# Altium PCB AKK_V2.1.PcbDoc (continued)
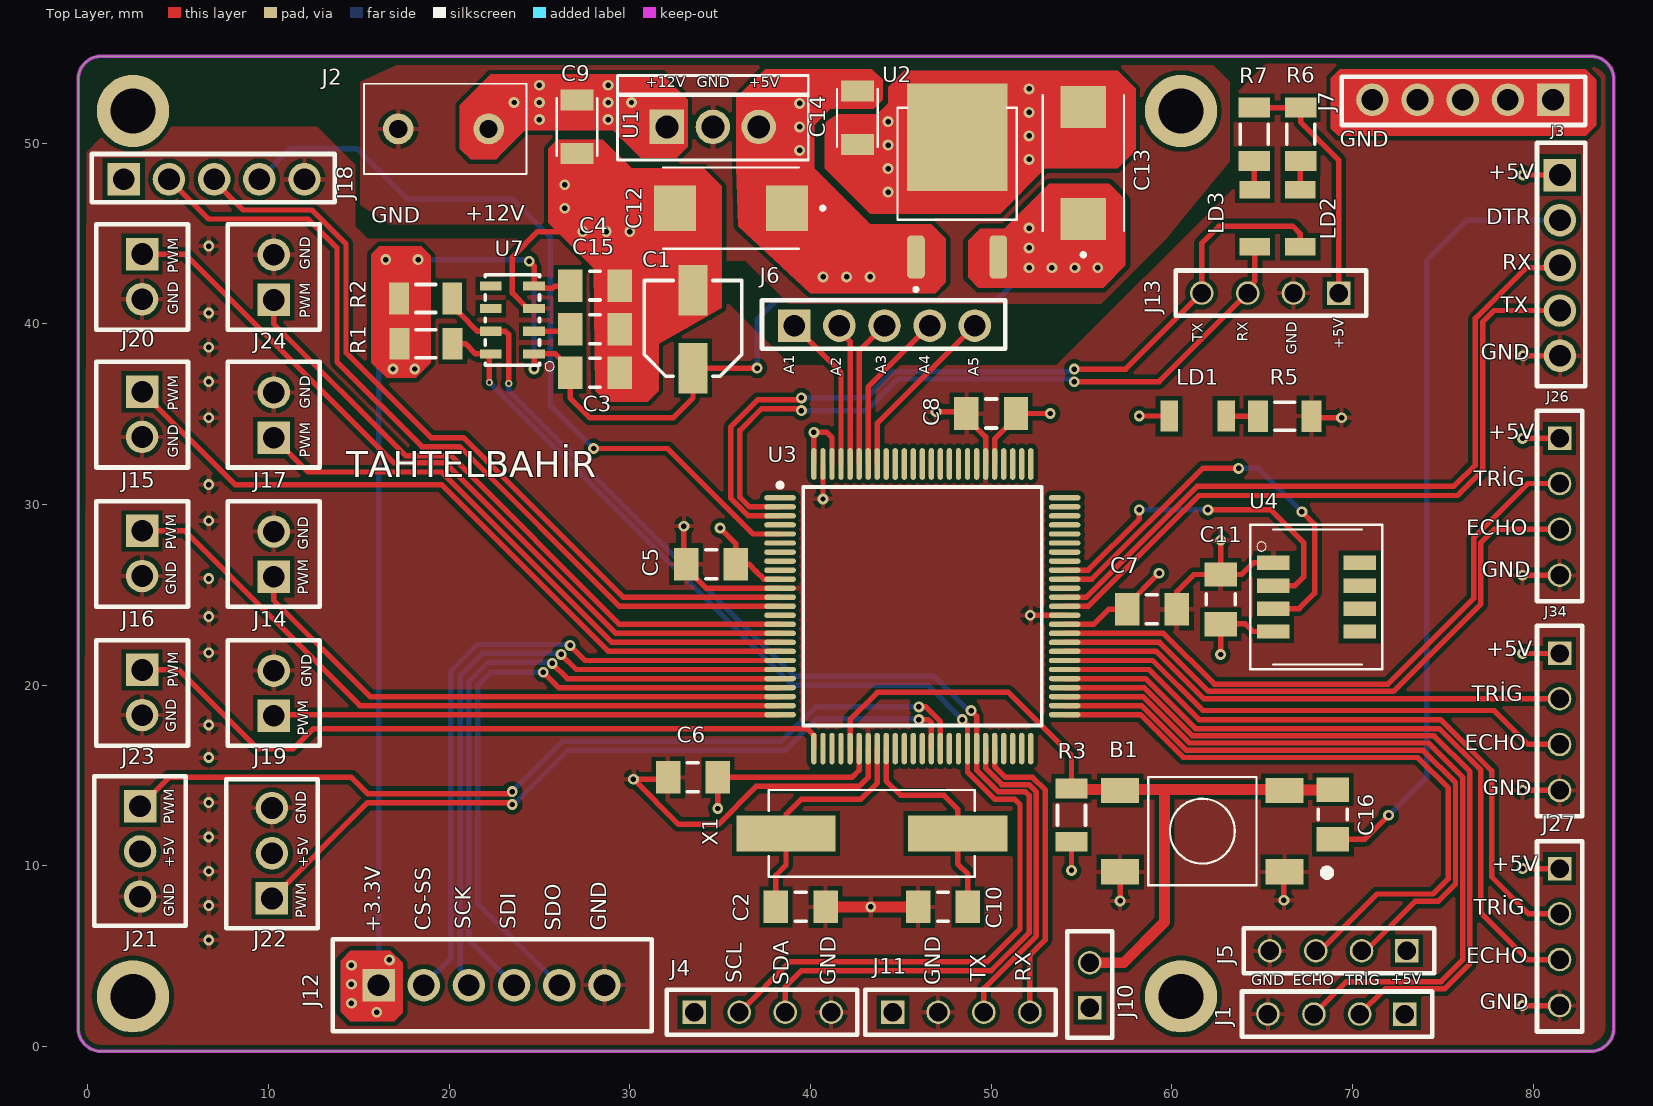
[diagram p0: Top Layer view]
## Part data (continued)
U3: library part ATMEGA2560-16AU, ComponentLink1Description=https://datasheet.ciiva.com/15122/getdatasheetpartid-134542-15122545.pdf?src-supplier=Verical, ComponentLink1URL=https://datasheet.ciiva.com/15122/getdatasheetpartid-134542-15122545.pdf?src-supplier=Verical, ComponentLink2Description=https://datasheet.ciiva.com/22651/1698622-22651116.pdf?src-supplier=Farnell, ComponentLink2URL=https://datasheet.ciiva.com/22651/1698622-22651116.pdf?src-supplier=Farnell, ComponentLink3URL=https://datasheet.ciiva.com/26815/atmega2560-16au-26815441.pdf?src-supplier=IIIC, ComponentLink4Description=https://datasheet.ciiva.com/29119/154804-da-01-en-atmega2560-16au-tqfp-100-29119580.pdf?src-supplier=Conrad, ComponentLink4URL=https://datasheet.ciiva.com/29119/154804-da-01-en-atmega2560-16au-tqfp-100-29119580.pdf?src-supplier=Conrad, ComponentLink5Description=https://datasheet.ciiva.com/1157/1817551-1157521.pdf?src-supplier=Element14, ComponentLink5URL=https://datasheet.ciiva.com/1157/1817551-1157521.pdf?src-supplier=Element14, ComponentLink6Description=https://datasheet.ciiva.com/6640/atmel-2549-8-bit-avr-microcontroller-atmega640-1280-1281-2560-2561-summary-6640293.pdf?src-supplier=Digi-Key, ComponentLink6URL=https://datasheet.ciiva.com/6640/atmel-2549-8-bit-avr-microcontroller-atmega640-1280-1281-2560-2561-summary-6640293.pdf?src-supplier=Digi-Key, ComponentLink7Description=https://datasheet.ciiva.com/1162/33246-1162139.pdf?src-supplier=Farnell, ComponentLink7URL=https://datasheet.ciiva.com/1162/33246-1162139.pdf?src-supplier=Farnell, ComponentLink8Description=https://datasheet.ciiva.com/16936/70123980-16936268.pdf?src-supplier=Allied+Electronics, ComponentLink8URL=https://datasheet.ciiva.com/16936/70123980-16936268.pdf?src-supplier=Allied+Electronics, Lead Free="Lead Free", Manufacturer Part Number=ATMEGA2560-16AU, Radiation Hardening=No, REACH SVHC="No SVHC"
U4: "SENSIRION - SHT15 - SENSOR, HUMIDITY & TEMP, 3.3V", Case/Package=LCC, Manufacturer=Sensirion, Max Operating Temperature=123.8°C, Max Supply Voltage=5.5V, Min Operating Temperature=-40°C, Min Supply Voltage=2.4V, Nominal Supply Current=28uA, Operating Supply Voltage=3.3V, Supplier Part Number 1=1649-1054-1-ND, Accuracy=2%, Category="Temperature and Humidity Sensors", ComponentLink1Description=https://datasheet.ciiva.com/16986/0900766b80d2f542-16986859.pdf?src-supplier=Allied+Electronics, ComponentLink1URL=https://datasheet.ciiva.com/16986/0900766b80d2f542-16986859.pdf?src-supplier=Allied+Electronics, ComponentLink2Description=https://datasheet.ciiva.com/1293/sensirion-humidity-sht1x-datasheet-v5-1293459.pdf?src-supplier=Farnell, ComponentLink2URL=https://datasheet.ciiva.com/1293/sensirion-humidity-sht1x-datasheet-v5-1293459.pdf?src-supplier=Farnell, ComponentLink3Description=https://datasheet.ciiva.com/1313/1563786-1313179.pdf?src-supplier=Element14, ComponentLink3URL=https://datasheet.ciiva.com/1313/1563786-1313179.pdf?src-supplier=Element14, ComponentLink4Description=https://datasheet.ciiva.com/28366/1563786-28366203.pdf?src-supplier=Element14, ComponentLink4URL=https://datasheet.ciiva.com/28366/1563786-28366203.pdf?src-supplier=Element14, Height=2.5mm, Lead Free="Lead Free", Lead Pitch=1.27mm, Length=7.42mm, Manufacturer Part Number=SHT15, Max Supply Voltage (DC)=5.5V, Min Supply Voltage (DC)=2.4V, Mount="Surface Mount", Number of Pins=8, Output Type=Digital, Packaging="Cut Tape", Pricing 1="1=27,30000, 10=16,63200 (USD)", REACH SVHC="No SVHC", Resolution=14b, Response Time=8s, RoHS=Yes, Sensing Method=Capacitive, Sensor Type=Temperature, Stock 1=24799, Supplier 1=Digi-Key, Width=4.88mm, Interface=Serial
X1: library part FC4SDCBMF25.0-T1, "Crystal 25MHz ±30ppm (Tol) ±50ppm (Stability) 20pF 2-Pin HC-49/SDLF SMD T/R", Manufacturer="Fox Electronics", Supplier Part Number 1=FC4SDCBMF25.0-T1-CUTT, ComponentLink1Description=http://www.foxonline.com/pdfs/C4SD.pdf?src-supplier=Digi-Key, ComponentLink1URL=http://www.foxonline.com/pdfs/C4SD.pdf?src-supplier=Digi-Key, Manufacturer Part Number=FC4SDCBMF25.0-T1, Pricing 1="1=0,28000, 50=0,21500, 100=0,20500, 250=0,19000, 500=0,18100 (USD)", RoHS=No, Stock 1=9000, Supplier 1="Future Electronics"

## Free pads (board coordinates)
  round 4 hole 2.5: 1(2.506,51.779) 2(60.506,51.779) 3(2.506,2.779) 4(60.506,2.779)

## Via types
v1: diameter 0.6, hole 0.3, Top Layer to Bottom Layer, tented both sides, 106 vias
v2: diameter 0.4, hole 0.2, Top Layer to Bottom Layer, tented both sides, 2 vias
v3: diameter 0.6, hole 0.3, Top Layer to Int2 (PWR), tented both sides, 2 vias
v4: diameter 0.6, hole 0.3, Int2 (PWR) to Bottom Layer, tented both sides, 2 vias

## Nets (pads, with @x,y where several pads share a name; then routed paths per layer and width w, separated by ;. In a path a pad name is that pad's centre, name@x,y a point inside that pad or via, vN(x,y) a via of type N, cw(c..) or ccw(c..) an arc to the next point about the centre after c; other vN are vias at no path point)
+3.3V: C1.1 C3.2 C4.2 C13.1 J12.1 R1.2 R2.2 U2.2 U7.1 U7.4 | length 92.8
  Top Layer w0.3: v1(24.437,43.463) 24.707,43.193 U7.4 24.807,41.988 25.352,41.988 25.372,41.968 25.706,41.968 25.826,42.088 26.674,42.088 C4.2 ; v1(24.707,37.507) U7.1 25.883,38.338 26.704,37.517 C3.2 26.704,35.896 27.8,34.8 32.4,34.8 33.5,35.9 C1.1 v1(37.05,37.55)
  Bottom Layer w0.3: J12.1 16.1,43.152 v1(16.5,43.552) ; v1(18.288,43.552) 24.348,43.552 v1(24.437,43.463) 24.703,43.197 24.703,37.511 v1(24.707,37.507) ; v1(37.05,37.55) 37.05,40.25 38.096,41.296 50.296,41.296 v1(52.1,43.1)
  other v1: 16,1.9 14.6,2.4 14.6,3.45 14.6,4.5 16.7,4.8 16.9,37.5 18.1,37.5 53.367,43.1 54.633,43.1 55.9,43.1 52.1,44.2 52.1,45.3
+5V: C5.2 C6.2 C7.2 C8.2 C11.1 C12.1 C14.1 J1.1 J3.1 J4.1 J5.1 J10.1 J11.1 J13.1 J18.1 J21.2 J22.2 J26.1 J27.1 J34.1 LD1.2 R3.1 R6.1 R7.1 U1.3 U2.1 U3.10 U3.31 U3.61 U3.80 U3.98 U3.100 U4.4 | length 73.5
  Top Layer w0.3: v1(34.875,13.175) C6.2 42.3,14.9 42.694,15.294 U3.31 ; v1(35,28.7) 35.875,27.825 C5.2 36.596,26.7 37,26.296 37,26.293 37.424,25.869 U3.10 ; U3.100 v1(40.194,33.994) 40.906,33.994 41.194,33.706 U3.98 ; U3.80 50.194,33.627 51.379,34.812 C8.2 v1(53.275,35.037) ; U3.61 55.669,23.369 56.5,24.2 C7.2 57.525,24.425 v1(59.3,26.2) ; v1(54.449,9.751) R3.1 ; v1(58.2,34.9) 59.847,34.9 LD1.2 ; v1(62.7,21.7) 62.7,23.396 64.078,23.396 64.501,22.972 U4.4 ; R7.1 R6.1 67.127,51.173 69.233,49.067 J13.1 ; v1(79.415,9.851) J27.1 ; v1(79.415,21.757) J34.1 ; v1(79.415,33.662) J26.1 ; v1(79.435,48.235) J3.1
  Top Layer w0.6: J18.1 J18.1@2.029,47.971 ; C12.1 38.7,49.34 U1.3 39.115,52.875 C14.1
  other v1: 40.7,42.6 42,42.6 43.3,42.6 39.4,49.6 39.4,50.9 39.4,52.2
+12V: C9.1 J2.1 U1.1
  other v1: 25,51.3 28.8,51.3 23.6,52.25 25,52.25 28.8,52.25 30.1,52.25 25,53.2 28.8,53.2
A0: U3.92
A1: U3.91
CS-SS: J12.2 U3.19 | length 37.2
  Top Layer w0.3: v1(26.7,22.2) 27.531,21.369 U3.19
  Bottom Layer w0.3: J12.2 20.1,4.9 20.1,20.8 21.555,22.255 26.645,22.255 v1(26.7,22.2)
DIGITAL_1: U3.77
DIGITAL_2: U3.78
DTR: C16.1 J3.2 | length 43.5
  Top Layer w0.3: C16.1 70.671,11.471 v1(72,12.8)
  Bottom Layer w0.3: v1(72,12.8) 74.1,14.9 74.1,43.5 76.335,45.735 J3.2
ECHO_1: J26.3 U3.59 | length 34.2
  Top Layer w0.3: U3.59 59.331,22.369 62.043,19.657 72.264,19.657 77.1,24.493 77.1,27.893 77.836,28.629 J26.3
ECHO_2: J34.3 U3.57 | length 29.3
  Top Layer w0.3: U3.57 58.945,21.369 61.714,18.6 77.839,18.6 79.715,16.724 J34.3
ECHO_3: J27.3 U3.55 | length 38.5
  Top Layer w0.3: U3.55 58.531,20.369 61.3,17.6 74.8,17.6 77.1,15.3 77.1,7.4 79.682,4.818 J27.3
ECHO_4: J1.3 U3.53 | length 43.5
  Top Layer w0.3: U3.53 58.4,19.369 60.969,16.8 74.214,16.8 76.1,14.914 76.1,4.8 74.9,3.6 69.667,3.6 J1.3
ECHO_5: J5.3 U3.51 | length 36.9
  Top Layer w0.3: U3.51 58.268,18.369 60.637,16 73.6,16 75.3,14.3 75.3,9.3 74.446,8.446 71.346,8.446 68.2,5.3 J5.3
GND: B1.1 B1.2 C1.2 C2.2 C3.1 C4.1 C5.1 C6.1 C7.1 C8.1 C9.2 C10.2 C11.2 C12.2 C13.2 C14.2 C15.2 J1.4 J2.2 J3.5 J4.4 J5.4 J7.1 J7.2 J7.3 J7.4 J7.5 J11.2 J12.6 J13.2 J14.2 J15.2 J16.2 J17.2 J18.5 J19.2 J20.2 J21.3 J22.3 J23.2 J24.2 J26.4 J27.4 J34.4 R5.1 U1.2 U2.3 U3.11 U3.32 U3.62 U3.81 U3.99 U4.1 U7.3 | length 70.8
  Top Layer w0.3: U7.3 24.357,40.838 23.5,41.695 23.5,43.7 24.9,45.1 v1(27.4,45.1) ; C6.1 32.025,14.8 v1(30.2,14.8) 32.7,12.3 34.9,12.3 37,14.4 42.7,14.4 43.194,14.894 U3.32 ; v1(33,28.8) 33,26.6 34.231,25.369 U3.11 ; v1(40.694,30.306) U3.99 ; v1(46.957,35.132) C8.1@48.534,35.132 ; C8.1 48.629,34.812 49.694,33.747 U3.81 ; v1(52.169,23.869) U3.62 ; v1(57.138,8.062) B1.2 ; C7.1 60.275,25.175 61.225,26.125 C11.2 ; v1(62.704,28.021) C11.2 ; U4.1 64.525,26.782 63.868,26.125 C11.2 ; v1(66.2,8.1) 66.2,9.187 66.462,9.449 B1.1 ; R5.1 67.823,34.8 v1(69.4,34.8) ; v1(79.415,2.271) J27.4 ; v1(79.415,14.177) J34.4 ; v1(79.415,26.082) J26.4 ; v1(79.435,38.235) J3.5
  Top Layer w0.6: C2.2 45.835,7.732 C10.2@45.962,7.859
  Bottom Layer w0.3: v1(57.138,8.062) v1@57.176,8.1
  other v1: 6.7,5.9 43.336,7.732 6.7,7.8 6.7,9.7 6.7,11.6 6.7,13.5 6.7,16 6.7,17.8 6.7,21.8 6.7,23.8 6.7,25.9 6.7,29.1 6.7,31.1 6.7,34.8 6.7,36.8 6.7,38.7 6.7,40.6 6.7,44.3 28.7,45.1 30,45.1 26.4,46.4 44.301,47.288 26.4,47.7 44.301,48.588 52.1,49.1 44.301,49.888 52.1,50.4 44.301,51.188 52.1,51.7 52.1,53
LSR_A1: J6.1 U3.97 | length 8.7
  Top Layer w0.3: J6.1 41.694,37.306 U3.97
LSR_A2: J6.2 U3.96 | length 7.9
  Top Layer w0.3: J6.2 41.6,39.603 42.194,39.009 U3.96
LSR_A3: J6.3 U3.95 | length 8.2
  Top Layer w0.3: U3.95 42.694,38.494 J6.3
LSR_A4: J6.4 U3.94 | length 9.1
  Top Layer w0.3: U3.94 43.194,36.494 J6.4
LSR_A5: J6.5 U3.93 | length 9.9
  Top Layer w0.3: U3.93 43.694,34.494 J6.5
NetC15_1: C15.1 U7.2 | length 2
  Top Layer w0.3: U7.2 26.587,39.588 C15.1
NetLD1_1: LD1.1 R5.2 | length 1.8
  Top Layer w0.3: LD1.1 R5.2
NetLD2_1: LD2.1 R6.2 | length 1.6
  Top Layer w0.3: LD2.1 67.103,48.988 R6.2
NetLD3_1: LD3.1 R7.2 | length 1.6
  Top Layer w0.3: R7.2 64.567,47.436 LD3.1
PWM_1: J14.1 U3.23 | length 31.5
  Top Layer w0.3: J14.1 10.3,24.7 15.631,19.369 U3.23
PWM_2: J16.1 U3.24 | length 39.3
  Top Layer w0.3: J16.1 5.389,28.54 15.06,18.869 U3.24
PWM_3: J19.1 U3.25 | length 28
  Top Layer w0.3: J19.1 10.363,18.369 U3.25
PWM_4: J23.1 U3.26 | length 40.3
  Top Layer w0.3: J23.1 5.054,20.846 9.406,16.494 11.394,16.494 12.5,17.6 39.813,17.6 40.194,17.219 U3.26
PWM_5: J24.1 U3.15 | length 36.2
  Top Layer w0.3: J24.1 10.3,40 17.6,32.7 20.107,32.7 29.438,23.369 U3.15
PWM_6: J20.1 U3.16 | length 44
  Top Layer w0.3: J20.1 5.389,43.861 16.95,32.3 19.8,32.3 29.231,22.869 U3.16
PWM_7: J17.1 U3.17 | length 32.7
  Top Layer w0.3: J17.1 12.2,31.8 19.593,31.8 29.024,22.369 U3.17
PWM_8: J15.1 U3.18 | length 41.3
  Top Layer w0.3: J15.1 8.154,31.1 19.586,31.1 28.817,21.869 U3.18
RASPİ_RX: J11.4 U3.46 | length 17
  Top Layer w0.3: U3.46 50.194,15.506 50.8,14.9 52.3,14.9 53,14.2 53,5.92 52.147,5.067 J11.4
RASPİ_TX: J11.3 U3.45 | length 17.8
  Top Layer w0.3: J11.3 49.6,3.227 52.5,6.127 52.5,14.1 52.1,14.5 50.6,14.5 49.694,15.406 U3.45
RESET: B1.3 B1.4 C16.2 J10.2 R3.2 U3.30 | length 44.7
  Top Layer w0.3: U3.30 42.194,18.094 43.7,19.6 50.963,19.6 54.449,16.114 R3.2
  Top Layer w0.6: R3.2 54.506,14.23 57.138,14.23 59.6,14.23 ; J10.2 57.344,4.644 59.6,6.9 59.6,14.23 ; C16.2 68.889,14.197 66.214,14.197 66.181,14.23 59.6,14.23
RS_CNTRL: J18.4 U3.5 | length 43.8
  Top Layer w0.3: v1(28,33.1) 32.1,33.1 36.831,28.369 U3.5
  Bottom Layer w0.3: J18.4 11.2,49.7 14.9,49.7 17.7,46.9 23.5,46.9 25.6,44.8 25.6,35.5 v1(28,33.1)
RS_RX: J18.3 U3.12 | length 44.5
  Top Layer w0.3: J18.3 7,47.9 8.6,46.3 12.407,46.3 14.3,44.407 14.3,38.4 19,33.7 20.8,33.7 29.631,24.869 U3.12
RS_TX: J18.2 U3.13 | length 47.3
  Top Layer w0.3: J18.2 6.7,45.8 12.2,45.8 13.8,44.2 13.8,37.9 18.5,33.2 20.593,33.2 29.424,24.369 U3.13
RX: J13.3 LD3.2 U3.2 | length 40.3
  Top Layer w0.3: U3.2 36.631,29.869 36.1,30.4 36.1,34.1 37.3,35.3 39.4,35.3 v4(39.5,35.2) ; v1(54.6,36.796) 59.296,36.796 J13.3 64.2,41.971 64.591,42.362 LD3.2
  Bottom Layer w0.3: v4(39.5,35.2) 43.107,35.2 44.854,36.946 54.45,36.946 v1(54.6,36.796)
  other v3: 39.5,35.2
SCK: J12.3 U3.20 | length 36.1
  Top Layer w0.3: v1(26.205,21.705) 27.041,20.869 U3.20
  Bottom Layer w0.3: J12.3 20.61,3.89 20.813,4.093 20.61,4.296 20.61,20.51 21.86,21.76 26.15,21.76 v1(26.205,21.705)
SCL: J4.2 R1.1 U3.43 U7.8 | length 68.7
  Top Layer w0.3: R1.1 20.9,38.9 21.462,38.338 22.163,38.338 22.235,38.266 v2(22.235,36.75) ; J4.2 38.867,4.7 49.8,4.7 51.6,6.5 51.6,13.4 51.3,13.7 50.2,13.7 48.694,15.206 U3.43 48.694,17.806 v1(48.4,18.1)
  Bottom Layer w0.3: v2(22.235,36.75) 38.985,20 46.5,20 v1(48.4,18.1)
SDA: J4.3 R2.1 U3.44 U7.7 | length 70.9
  Top Layer w0.3: R2.1 20.575,41 20.575,40.595 21.582,39.588 U7.7 23.124,39.588 23.3,39.412 v2(23.3,36.7) ; J4.3 38.6,3.3 39.5,4.2 50.007,4.2 52.1,6.293 52.1,13.9 51.9,14.1 50.4,14.1 49.194,15.306 U3.44 49.194,18.296 v1(48.895,18.595)
  Bottom Layer w0.3: v2(23.3,36.7) 23.3,36.3 39.1,20.5 46.849,20.5 48.754,18.595 v1(48.895,18.595)
SDI: J12.4 U3.21 | length 35.9
  Top Layer w0.3: v1(25.71,21.21) 26.551,20.369 U3.21
  Bottom Layer w0.3: J12.4 21.1,5.9 21.1,20.2 22.165,21.265 25.655,21.265 v1(25.71,21.21)
SDO: J12.5 U3.22 | length 35.8
  Top Layer w0.3: v1(25.215,20.715) 26.061,19.869 U3.22
  Bottom Layer w0.3: v1(25.215,20.715) 22.315,20.715 21.6,20 21.6,7.9 J12.5
SHT15_DATA: U3.67 U4.2 | length 19.4
  Top Layer w0.3: U3.67 55.369,26.369 58.2,29.2 v1(58.2,29.7) ; v1(62,29.7) 65.5,29.7 67.3,27.9 67.3,26 66.812,25.512 U4.2
  Bottom Layer w0.3: v1(58.2,29.7) v1(62,29.7)
SHT15_SCK: U3.66 U4.3 | length 24.1
  Top Layer w0.3: U3.66 55.569,25.869 61.7,32 v1(63.7,32) ; U4.3 67.042,24.242 67.9,25.1 67.9,28.9 v1(67.2,29.6)
  Bottom Layer w0.3: v1(63.7,32) 64.8,32 v1(67.2,29.6)
TRİG_1: J26.2 U3.60 | length 35.1
  Top Layer w0.3: U3.60 59.538,22.869 62.35,20.057 71.957,20.057 76.7,24.8 76.7,28.147 79.715,31.162 J26.2
TRİG_2: J34.2 U3.58 | length 28.5
  Top Layer w0.3: U3.58 59.152,21.869 61.765,19.257 J34.2
TRİG_3: J27.2 U3.56 | length 36.4
  Top Layer w0.3: U3.56 58.738,20.869 61.507,18.1 74.866,18.1 77.7,15.266 77.7,9.4 79.749,7.351 J27.2
TRİG_4: J1.2 U3.54 | length 42.2
  Top Layer w0.3: U3.54 58.465,19.869 61.134,17.2 74.521,17.2 76.5,15.221 76.5,4.6 75.1,3.2 71.8,3.2 J1.2
TRİG_5: J5.2 U3.52 | length 35.7
  Top Layer w0.3: U3.52 58.334,18.869 60.803,16.4 73.907,16.4 75.7,14.607 75.7,8.993 74.754,8.046 73.479,8.046 70.733,5.3 J5.2
TTL_RX: J3.3 U3.64 | length 39.8
  Top Layer w0.3: U3.64 55.269,24.869 61.4,31 75.6,31 76.8,32.2 76.8,40.3 79.6,43.1 81.346,43.1 J3.3
TTL_TX: J3.4 U3.63 | length 39
  Top Layer w0.3: U3.63 55.369,24.369 61.5,30.5 75.807,30.5 77.2,31.893 77.2,40.099 77.836,40.735 J3.4
TX: J13.4 LD2.2 U3.3 | length 45.7
  Top Layer w0.3: U3.3 36.565,29.369 35.6,30.334 35.6,34.307 37.093,35.8 39.4,35.8 v4(39.5,35.9) ; v1(54.6,37.496) 57.449,37.496 J13.4 61.653,44.453 62.6,45.4 66.7,45.4 67.103,44.997 LD2.2
  Bottom Layer w0.3: v4(39.5,35.9) 43.1,35.9 44.546,37.346 54.45,37.346 v1(54.6,37.496)
  other v3: 39.5,35.9
XTAL1: C10.1 U3.34 X1.1 | length 11.9
  Top Layer w0.3: U3.34 44.194,14.706 45,13.9 47.4,13.9 48.15,13.15 48.15,10.108 48.712,9.546 C10.1@48.712,7.859
XTAL2: C2.1 U3.33 X1.2 | length 13
  Top Layer w0.3: C2.1 38.088,9.483 38.65,10.045 X1.2 38.65,12.85 39.5,13.7 42.8,13.7 43.7,14.6 43.7,15.763 43.694,15.769 U3.33
"Y_MOTOR PWM_1": J21.1 U3.40 | length 49.1
  Top Layer w0.3: J21.1 4.5,14.9 14.6,14.9 15.5,14 23.385,14 v1(23.496,14.111) ; v1(46,18.8) 46.384,18.8 47.194,17.99 U3.40
  Bottom Layer w0.3: v1(23.496,14.111) 26.285,16.9 38.4,16.9 40.3,18.8 v1(46,18.8)
"Y_MOTOR PWM_2": J22.1 U3.39 | length 42.2
  Top Layer w0.3: J22.1 15.5,13.5 23.4,13.5 v1(23.5,13.4) ; v1(46,18.1) 46.518,18.1 46.694,17.924 U3.39
  Bottom Layer w0.3: v1(23.5,13.4) 23.581,13.4 26.581,16.4 38.6,16.4 40.346,18.146 45.954,18.146 v1(46,18.1)
pads on no net: U3.1 U3.4 U3.6 U3.7 U3.8 U3.9 U3.14 U3.27 U3.28 U3.29 U3.35 U3.36 U3.37 U3.38 U3.41 U3.42 U3.47 U3.48 U3.49 U3.50 U3.65 U3.68 U3.69 U3.70 U3.71 U3.72 U3.73 U3.74 U3.75 U3.76 U3.79 U3.82 U3.83 U3.84 U3.85 U3.86 U3.87 U3.88 U3.89 U3.90 U4.5 U4.6 U4.7 U4.8 U7.5 U7.6

## Polygon pours and split planes (outlines as drawn)
GND on Bottom Layer "GND_L04_P016" (solid, pour order 16): 77.4,54.3 82.868,54.3 cw(c82.868,52.886) 83.869,53.886 cw(c83.551,53.568) 84,53.568 84,1.127 cw(c83.073,1.127) 83.728,0.471 cw(c82.833,1.367) 82.833,0.1 80.4,0.1 0.425,-0.007 -0.218,0.682 -0.054,49.505 1.3,50.9 12.7,50.9 14.8,48.8 14.8,45.4 15.5,44.7 31.9,44.7 38.9,37.7 53.6,37.7 63.417,47.517 63.417,52.617 65.2,54.4 77.6,54.4
GND on Bottom Layer "GND_L04_P013" (solid, pour order 13): 63.2,53.4 63.2,49 60.5,45.7 59.7,44.7 56.1,41.1 38.8,41.1 36.4,43.5 27.3,43.5 25.3,45.5 16.7,45.5 15.1,46.595 15.1,53.4 17.08,54.3 62.3,54.3
GND on Bottom Layer "GND_L04_P007" (solid, pour order 7): 78.2,11.2 74.1,7.1 63.7,7.1 63.2,6.6 63.2,0.3 63.8,-0.3 82.84,-0.3 83.8,0.66 83.804,6.263 83.808,11.397 83.8,49.9 83.686,50.014 83.559,50.141 79.141,50.141 78.2,49.2
GND on Bottom Layer "GND_L04_P000" (solid, pour order 0): 0.3,49.8 1,49.8 13.8,49.8 14.8,48.8 14.8,7.3 12.3,4.8 1.1,4.8 0.1,5.8 0.1,49.6
GND on Top Layer "GND_L01_P017" (solid, pour order 17): 77.4,54.3 82.868,54.3 cw(c82.868,52.886) 83.869,53.886 cw(c83.551,53.568) 84,53.568 84,1.127 cw(c83.073,1.127) 83.728,0.471 cw(c82.833,1.367) 82.833,0.1 80.4,0.1 0.425,-0.007 -0.218,0.682 -0.054,49.505 1.3,50.9 12.7,50.9 14.8,48.8 14.8,45.4 15.5,44.7 31.9,44.7 38.9,37.7 53.6,37.7 63.417,47.517 63.417,52.617 65.2,54.4 77.6,54.4
GND on Top Layer "GND_L01_P014" (solid, pour order 14): 63.2,53.4 63.2,49 60.5,45.7 59.7,44.7 56.1,41.1 38.8,41.1 36.4,43.5 27.3,43.5 25.3,45.5 16.7,45.5 15.1,46.595 15.1,53.4 17.08,54.3 62.3,54.3
GND on Top Layer "GND_L01_P008" (solid, pour order 8): 78.2,11.2 74.1,7.1 63.7,7.1 63.2,6.6 63.2,0.3 63.8,-0.3 82.84,-0.3 83.8,0.66 83.804,6.263 83.808,11.397 83.8,49.9 83.686,50.014 83.559,50.141 79.141,50.141 78.2,49.2
GND on Top Layer "GND_L01_P001" (solid, pour order 1): 0.3,49.8 1,49.8 13.8,49.8 14.8,48.8 14.8,7.3 12.3,4.8 1.1,4.8 0.1,5.8 0.1,49.6
GND on Int1 (GND) (split plane): 83.309,54.292 83.425,54.264 83.536,54.219 83.638,54.156 83.728,54.079 83.806,53.988 83.869,53.886 83.914,53.775 83.942,53.659 83.951,53.553 83.949,53.54 83.949,1.01 83.951,0.997 83.942,0.891 83.914,0.774 83.869,0.664 83.806,0.562 83.728,0.471 83.638,0.393 83.536,0.331 83.425,0.285 83.309,0.257 83.203,0.249 83.19,0.25 4.182,0.25 4.18,0.25 4.18,0.29 4.078,0.248 0.748,0.248 0.735,0.247 0.629,0.255 0.513,0.283 0.402,0.329 0.301,0.391 0.21,0.469 0.132,0.56 0.07,0.662 0.024,0.772 -0.004,0.888 -0.013,0.995 -0.011,1.008 -0.011,53.54 -0.013,53.553 -0.004,53.659 0.024,53.775 0.07,53.886 0.132,53.988 0.21,54.079 0.301,54.156 0.402,54.219 0.513,54.264 0.629,54.292 0.735,54.301 0.748,54.299 83.19,54.299 83.203,54.301
+5V on Int2 (PWR) (split plane): 83.309,54.292 83.425,54.264 83.536,54.219 83.638,54.156 83.728,54.079 83.806,53.988 83.869,53.886 83.914,53.775 83.942,53.659 83.951,53.553 83.949,53.54 83.949,1.01 83.951,0.997 83.942,0.891 83.914,0.774 83.869,0.664 83.806,0.562 83.728,0.471 83.638,0.393 83.536,0.331 83.425,0.285 83.309,0.257 83.203,0.249 83.19,0.25 4.182,0.25 4.18,0.25 4.18,0.29 4.078,0.248 0.748,0.248 0.735,0.247 0.629,0.255 0.513,0.283 0.402,0.329 0.301,0.391 0.21,0.469 0.132,0.56 0.07,0.662 0.024,0.772 -0.004,0.888 -0.013,0.995 -0.011,1.008 -0.011,53.54 -0.013,53.553 -0.004,53.659 0.024,53.775 0.07,53.886 0.132,53.988 0.21,54.079 0.301,54.156 0.402,54.219 0.513,54.264 0.629,54.292 0.735,54.301 0.748,54.299 83.19,54.299 83.203,54.301
+3.3V on Int2 (PWR) (split plane): 17.428,4.628 17.428,1.872 16.958,1.402 14.542,1.402 14.002,1.942 14.002,4.758 14.542,5.298 16.758,5.298
+3.3V on Int2 (PWR) (split plane): 19.001,43.755 19.001,37.845 18.158,37.002 16.542,37.002 15.702,37.842 15.702,43.858 16.142,44.298 18.458,44.298
+12V on Int2 (PWR) (split plane): 33.309,52.424 33.309,49.754 32.558,49.002 30.642,49.002 29.172,50.472 29.139,50.494 29.1,50.502 24.1,50.502 24.061,50.494 24.028,50.472 22.558,49.002 21.142,49.002 20.483,49.661 20.483,52.139 22.242,53.898 31.835,53.898
+3.3V on Int2 (PWR) (split plane): 57.498,46.858 57.498,43.242 56.258,42.002 49.286,42.002 48.702,42.586 48.702,44.608 49.392,45.298 50.6,45.298 50.639,45.306 50.672,45.328 53.142,47.798 56.558,47.798

## Keep-outs
Keep-Out Layer:
  the board outline again, w0.2

## Other copper
Top Layer:
  region net +3.3V: 15.702,43.858 16.142,44.298 18.458,44.298 19.001,43.755 19.001,37.845 18.158,37.002 16.542,37.002 15.702,37.842
  region net +3.3V: 14.002,4.758 14.542,5.298 16.758,5.298 17.428,4.628 17.428,1.872 16.958,1.402 14.542,1.402 14.002,1.942
  region net GND: 28.1,36.3 28.7,35.7 31,35.7 31.6,36.3 31.6,38.9 33.9,40.2 35.1,40.9 35.1,47.6 34.1,48.6 30.1,48.6 28.5,50.2 26,50.2 25.5,49.7 25.5,45.6 28.021,43.079
  region net +5V: 40.2,48.6 40.2,51 41.1,51.9 43.5,51.9 44,52.4 44,53.499 43.399,54.1 37.5,54.1 35.9,52.5 35.9,49.6 35.9,48.7 36.7,47.9
  region net +5V: 40.2,48.6 43.3,45.5 46.7,45.5 47.5,44.7 47.5,42.3 46.9,41.7 40,41.7 36,45.4 35.9,48.7 37.4,48.6
  region net GND: 40.8,51 40.8,48.6 43.3,46.1 50.5,46.1 53,48.6 57,48.6 58,49.6 58,53 57,54 45.2,54 44.3,53.1 44.3,52.2 43.7,51.6 41.5,51.6 40.9,51.2
  region net +3.3V: 48.721,44.584 49.404,45.266 50.721,45.266 53.211,47.756 56.549,47.756 57.437,46.868 57.437,43.23 56.206,42 49.3,42 48.721,42.579
  region net +12V: 20.6,49.7 20.6,52.1 22.3,53.8 31.8,53.8 33.2,52.4 33.2,49.8 32.6,49.2 30.6,49.2 29.7,50.1 29.639,50.161 29.6,50.2 29.1,50.7 28.5,50.7 24.2,50.7 22.9,49.4 22.6,49.1 21.2,49.1
  region: 20.4,49.6
  region: 20.4,49.6
  region net GND: 69.3,54.1 82.9,54.1 83.5,53.5 83.5,51 82.9,50.4 69.2,50.4 68.8,50.8 68.8,53.6
Bottom Layer:
  region net +3.3V: 15.702,43.858 16.142,44.298 18.458,44.298 19.001,43.755 19.001,37.845 18.158,37.002 16.542,37.002 15.702,37.842
  region net +3.3V: 14.002,4.758 14.542,5.298 16.758,5.298 17.428,4.628 17.428,1.872 16.958,1.402 14.542,1.402 14.002,1.942
  region net +5V: 40.2,48.6 40.2,51 41.1,51.9 43.5,51.9 44,52.4 44,53.499 43.399,54.1 37.5,54.1 35.9,52.5 35.9,49.6 35.9,48.7 36.7,47.9
  region net +5V: 40.2,48.6 43.3,45.5 46.7,45.5 47.5,44.7 47.5,42.3 46.9,41.7 40,41.7 36,45.4 35.9,48.7 37.4,48.6
  region net GND: 28.1,36.3 28.7,35.7 31,35.7 31.6,36.3 31.6,38.9 33.9,40.2 35.1,40.9 35.1,47.6 34.1,48.6 30.1,48.6 28.5,50.2 26,50.2 25.5,49.7 25.5,45.6 28.021,43.079
  region net GND: 40.8,51 40.8,48.6 43.3,46.1 50.5,46.1 53,48.6 57,48.6 58,49.6 58,53 57,54 45.2,54 44.3,53.1 44.3,52.2 43.7,51.6 41.5,51.6 40.9,51.2
  region net +3.3V: 48.721,44.584 49.404,45.266 50.721,45.266 53.211,47.756 56.549,47.756 57.437,46.868 57.437,43.23 56.206,42 49.3,42 48.721,42.579
  region net +12V: 20.6,49.7 20.6,52.1 22.3,53.8 31.8,53.8 33.2,52.4 33.2,49.8 32.6,49.2 30.6,49.2 29.7,50.1 29.639,50.161 29.6,50.2 29.1,50.7 28.5,50.7 24.2,50.7 22.9,49.4 22.6,49.1 21.2,49.1
  region net GND: 69.4,54.1 82.9,54.1 83.5,53.5 83.5,51 82.9,50.4 69.3,50.4 68.8,50.9 68.8,53.5
Int2 (PWR) (plane layer: these items are gaps in the copper):
  lines w0.2: 13.9,1.9 13.9,4.8 14.5,5.4 16.8,5.4 17.53,4.67 17.53,1.83 17,1.3 14.5,1.3 13.9,1.9 ; 15.6,37.8 15.6,43.9 16.1,44.4 18.5,44.4 19.103,43.797 19.103,37.803 18.2,36.9 16.5,36.9 15.6,37.8 ; 20.381,49.619 20.381,52.181 22.2,54 31.878,54 33.411,52.466 33.411,49.711 32.6,48.9 30.6,48.9 29.1,50.4 24.1,50.4 22.6,48.9 21.1,48.9 20.381,49.619 ; 48.6,42.544 49.244,41.9 56.3,41.9 57.6,43.2 57.6,46.9 56.6,47.9 53.1,47.9 50.6,45.4 49.35,45.4 48.6,44.65 48.6,42.544

## Silkscreen, mask and mechanical layers (free items; w line width, h text height)
Top Overlay:
  text "+12V" at 30.9,52.9 h1
  text "GND" at 33.7,52.9 h1
  text "+5V" at 36.6,52.9 h1
  text "GND" at 69.3,49.5 h1.5
  text "+5V" at 77.5,47.7 h1.5
  text "+12V" at 20.9,45.4 h1.5
  text "GND" at 15.7,45.3 h1.5
  text "DTR" at 77.4,45.2 h1.5
  text "GND" at 12.5,43 h1 r90
  text "PWM" at 5.2,42.8 h1 r90
  text "RX" at 78.3,42.7 h1.5
  text "GND" at 5.2,40.5 h1 r90
  text "TX" at 78.2,40.323 h1.5
  text "PWM" at 12.5,40.3 h1 r90
  text "TX" at 61.9,39 h1 r90
  text "RX" at 64.4,39 h1 r90
  text "+5V" at 69.7,38.6 h1 r90
  text "GND" at 67.1,38.3 h1 r90
  text "GND" at 77.1,37.7 h1.5
  text "A1" at 39.3,37.2 h1 r90
  text "A3" at 44.4,37.2 h1 r90
  text "A4" at 46.8,37.2 h1 r90
  text "A2" at 41.9,37.1 h1 r90
  text "A5" at 49.5,37.1 h1 r90
  text "GND" at 12.5,35.3 h1 r90
  text "PWM" at 5.2,35.2 h1 r90
  text "+5V" at 77.5,33.3 h1.5
  text "GND" at 5.2,32.6 h1 r90
  text "PWM" at 12.5,32.6 h1 r90
  text "TAHTELBAHİR" at 14.3,31 h2.5
  text "TRİG" at 76.7,30.7 h1.5
  text "ECHO" at 76.3,28 h1.5
  text "PWM" at 5.1,27.5 h1 r90
  text "GND" at 12.4,27.5 h1 r90
  text "GND" at 77.145,25.666 h1.5
  text "GND" at 5.1,25 h1 r90
  text "PWM" at 12.4,25 h1 r90
  text "+5V" at 77.4,21.3 h1.5
  text "PWM" at 5.2,19.9 h1 r90
  text "GND" at 12.6,19.9 h1 r90
  text "TRİG" at 76.6,18.8 h1.5
  text "GND" at 5.1,17.4 h1 r90
  text "PWM" at 12.4,17.2 h1 r90
  text "ECHO" at 76.2,16.1 h1.5
  text "GND" at 77.2,13.6 h1.5
  text "PWM" at 5,12.3 h1 r90
  text "GND" at 12.3,12.3 h1 r90
  text "+5V" at 5,9.9 h1 r90
  text "+5V" at 12.4,9.9 h1 r90
  text "+5V" at 77.7,9.4 h1.5
  text "GND" at 5,7.2 h1 r90
  text "PWM" at 12.3,7.1 h1 r90
  text "TRİG" at 76.7,7 h1.5
  text "SCK" at 21.5,6.5 h1.5 r90
  text "SDI" at 24,6.5 h1.5 r90
  text "CS-SS" at 19.3,6.4 h1.5 r90
  text "SDO" at 26.5,6.4 h1.5 r90
  text "GND" at 29,6.4 h1.5 r90
  text "+3.3V" at 16.5,6.3 h1.5 r90
  text "ECHO" at 76.3,4.3 h1.5
  text "TX" at 50,3.6 h1.5 r90
  text "RX" at 52.5,3.6 h1.5 r90
  text "SCL" at 36.5,3.5 h1.5 r90
  text "SDA" at 39.1,3.4 h1.5 r90
  text "GND" at 41.7,3.4 h1.5 r90
  text "GND" at 47.5,3.4 h1.5 r90
  text "+5V" at 72.127,3.25 h1
  text "GND" at 64.4,3.2 h1
  text "ECHO" at 66.7,3.2 h1
  text "TRİG" at 69.6,3.2 h1
  text "GND" at 77.045,1.766 h1.5
Bottom Overlay:
  drawing of 2611 lines, arcs and shapes, not listed
  text "MUHAMMET ALİ ÖZER" at 37.321,47.35 h2.5
  text "VATAN SİZE MİNNETTAR" at 79.321,47.303 h4
  text "SÜLEYMAN ŞAHİN-AHMET SAYGILI-ALİ TAŞÖZ-BATUHAN TANK" at 79.321,44.475 h2.5
  text "NİHAT KARA-ALİ TURGUT-CUMA BAĞTUR-MEHMET ORHAN" at 79.321,41.648 h2.5
  text "M. MUHAMMET AKAY- T.CAN YILMAZ-EMRE BAYSAL-ADEM AKIN" at 79.321,38.82 h2.5
  text "OSMAN AK-TAYFUN PEKER-GÜVEN KURTULMUŞ-EMİN YILDIRIM" at 79.321,35.993 h2.5
  text "TURGUT BURKAY-H. İBRAHİM AKKAYA-AKİF AKÇADAĞ" at 79.321,33.165 h2.5
  text "SELMAN CANKARA-BAYRAM OLGUN-MEHMET ORHAN" at 79.321,30.337 h2.5
  text "MUHARREM ÖĞÜTÇÜ- T. BURKAY KORKMAZ-VEYSEL GÜNAY" at 79.321,27.51 h2.5
  text "BİRHAN ER-İBRAHİM TÜZEL-AHMET ALPARSLAN-RECEP BEKİR" at 79.321,24.682 h2.5
  text "MUSTAFA BAYRAKTAR- S.ENES BAYKUŞ-ALİ TAŞÖZ" at 79.321,22.296 h2.5